# Altium PCB OpenPLCv0.2.0.PcbDoc (part 5 of 6)
Units mm, origin at the board's own origin, x right, y up, seen from the top; angles counter-clockwise.
Board outline 180 x 120 mm, 4 copper layers (Top Copper, Int1 Copper (GND), Int2 Copper (GND), Bottom Copper), stack 1.57 mm thick; 541 components, 405 nets, 1586 pads, 1395 vias.
Unrouted connection lines stored in the file: 4.
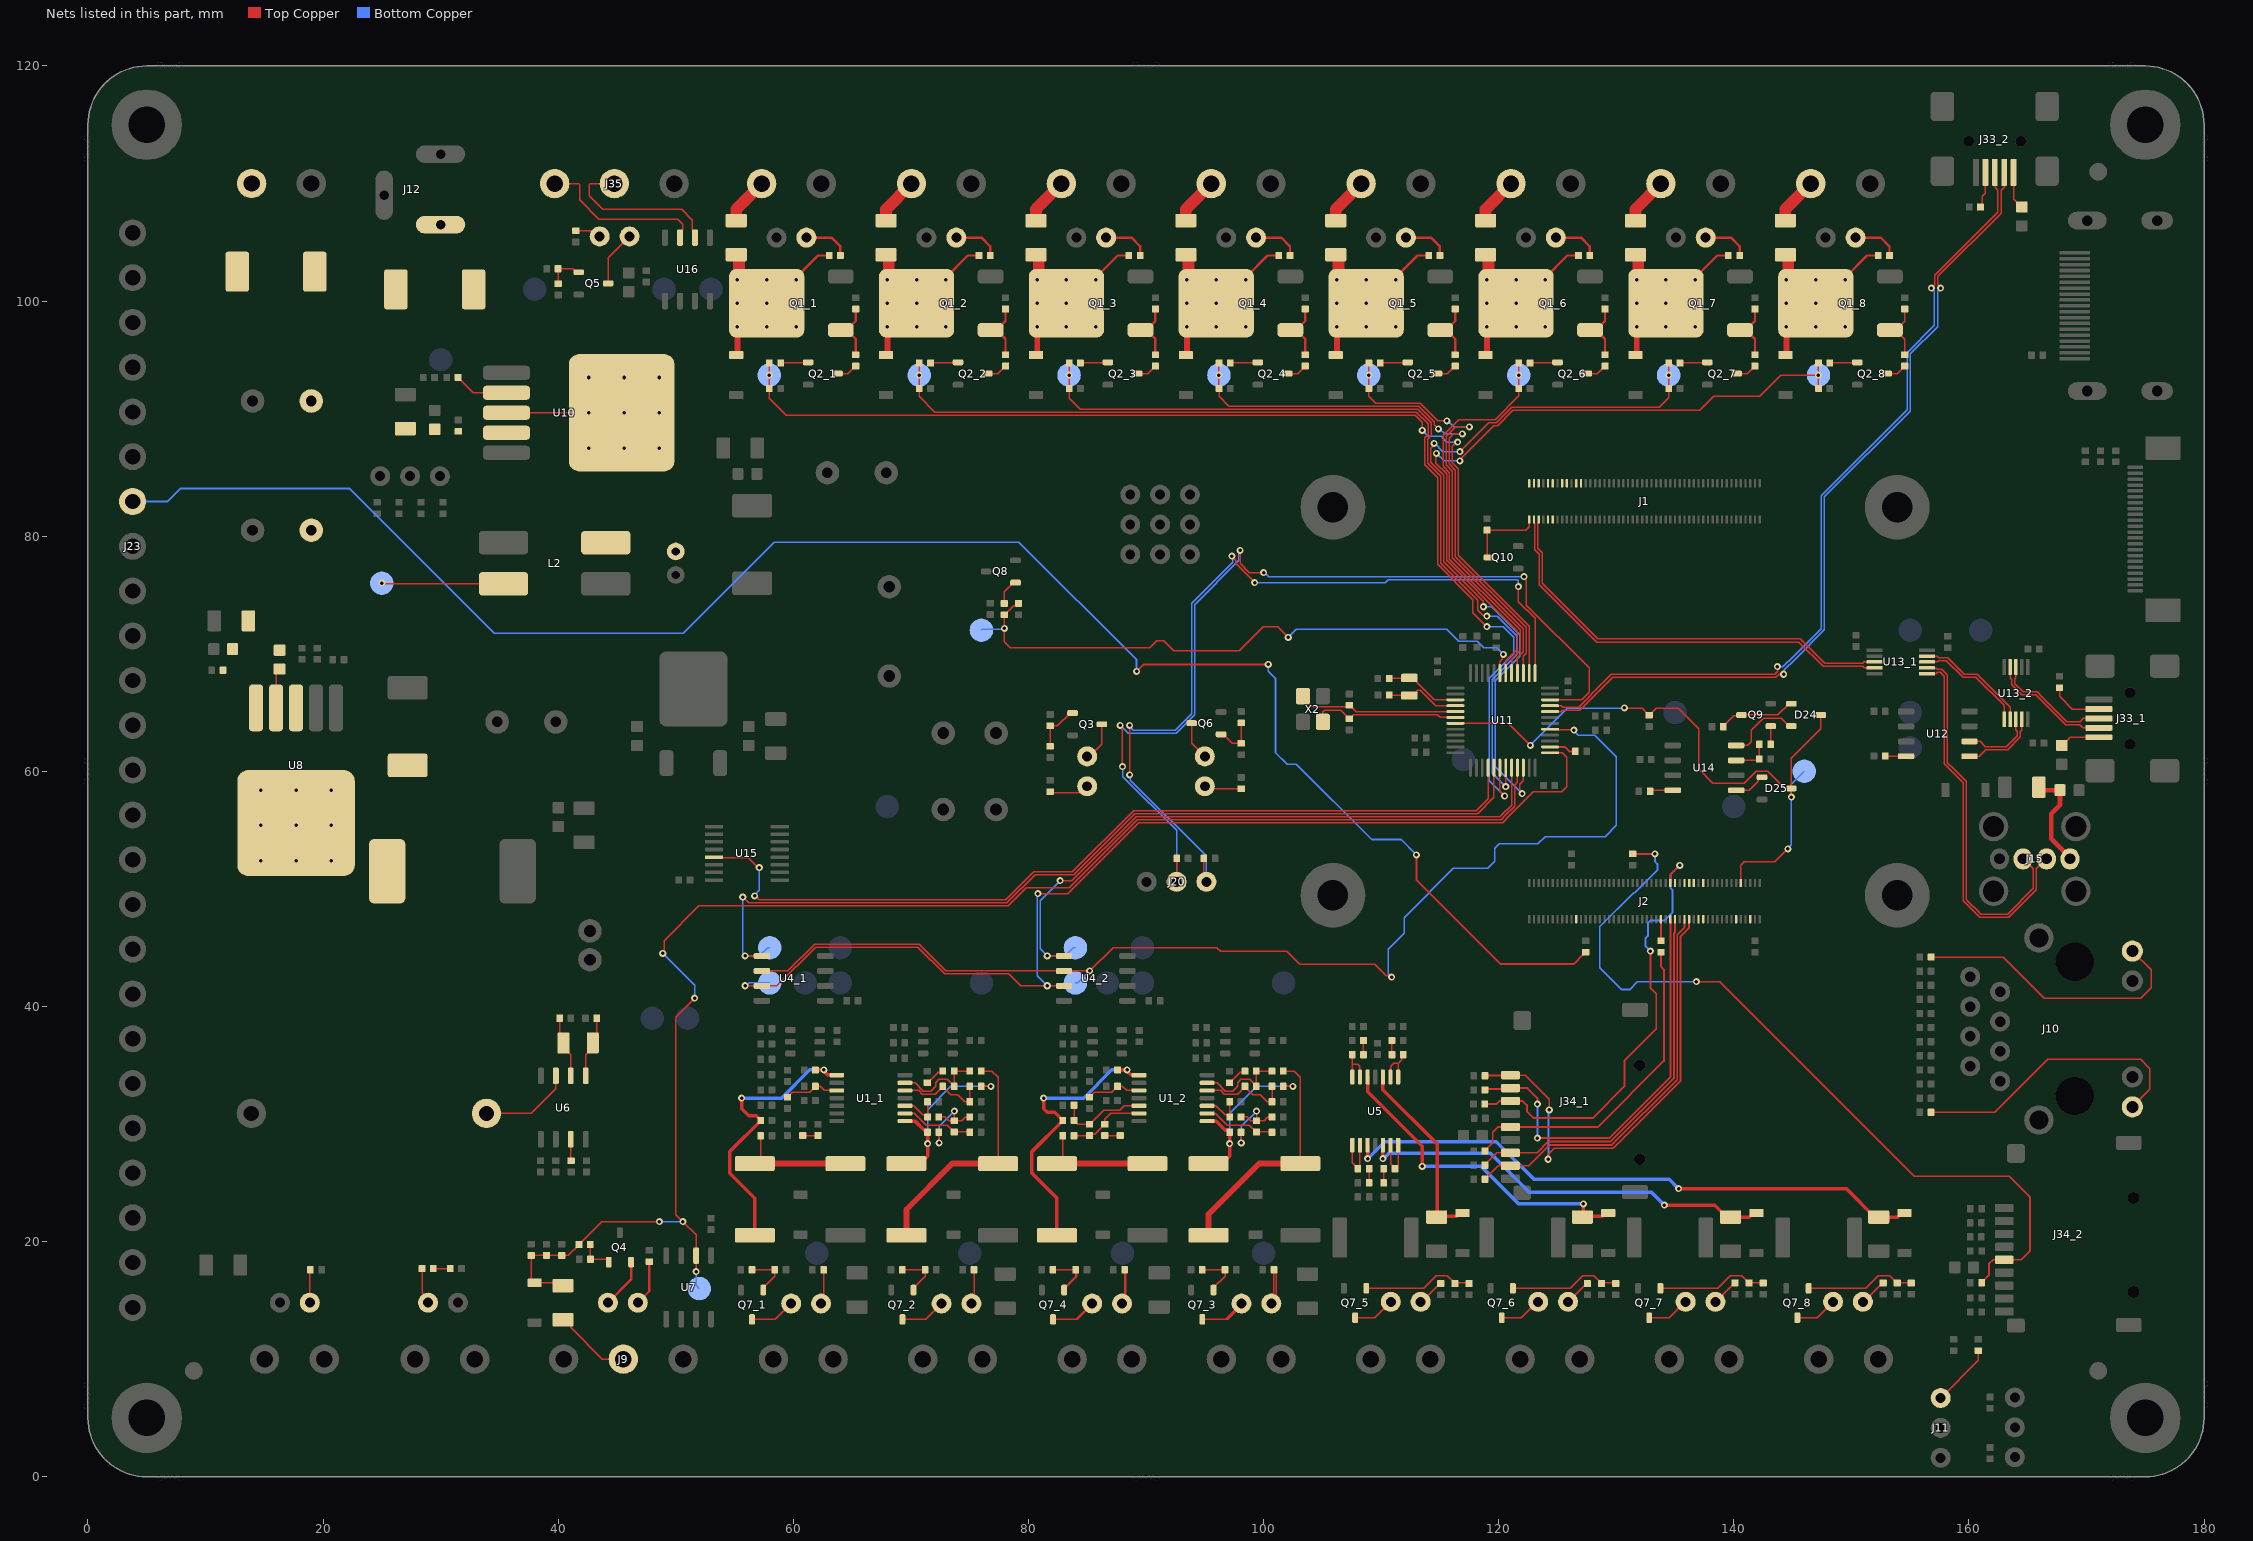
[diagram p7: the nets of this part, all layers, seen from the top]

## Via types
v1: diameter 0.6, hole 0.3, Top Copper to Bottom Copper, tented both sides, 1296 vias
v2: diameter 0.7, hole 0.3, Top Copper to Bottom Copper, tented bottom, 99 vias

## Nets (pads, with @x,y where several pads share a name; then routed paths per layer and width w, separated by ;. In a path a pad name is that pad's centre, name@x,y a point inside that pad or via, vN(x,y) a via of type N, cw(c..) or ccw(c..) an arc to the next point about the centre after c; other vN are vias at no path point) (continued)
NetC4_2_1: C4_2.1 R5_2.1 R7_2.2 U1_2.6 | length 6.6
  Top Copper w0.127: R5_2.1@83.88,29 83.9,29.02 C4_2.1@85.2,29.02 85.311,29.131 85.626,29.131 86.475,29.98 R7_2.2@86.5,29.98 86.5,30.4 87,30.9 88,30.9 U1_2.6@89.4,30.9
NetC4_2_2: C4_2.2 R3_2.1 R6_2.2 U1_2.5 | length 7.6
  Top Copper w0.127: R6_2.2@83.88,31.6 R3_2.1@83.88,30.3 83.88,30.275 84.101,30.054 84.126,30.054 84.2,29.98 C4_2.2@85.2,29.98 85.225,29.98 86.399,31.154 87.754,31.154 88.15,31.55 U1_2.5@89.4,31.55
NetC5_1_1: C5_1.1 R13_1.2 U1_1.9 | length 6.2
  Top Copper w0.127: U1_1.9@69.5,30.9 70.289,30.9 71.289,29.9 73.095,29.9 73.675,29.32 C5_1.1@73.7,29.32 R13_1.2@75,29.32
NetC5_1_2: C5_1.2 C61_1.2 R12_1.2 R111_1.1 | length 7.9
  Top Copper w0.127: C61_1.2@72.38,29.3 72.4,29.28 v1(72.4,28.4) ; R111_1.1@72.38,30.6 72.9,30.6 73.22,30.28 C5_1.2@73.7,30.28 ; v1(73.7,31.1) C5_1.2@73.7,30.28 ; R12_1.2@75.02,30.6 74.979,30.559 74.619,30.559 74.34,30.28 C5_1.2@73.7,30.28
  Bottom Copper w0.127: v1(72.4,28.4) 72.4,29.8 v1(73.7,31.1)
NetC5_2_1: C5_2.1 R13_2.2 U1_2.9 | length 6.2
  Top Copper w0.127: U1_2.9@95.2,30.9 95.234,30.866 95.938,30.866 96.904,29.9 98.795,29.9 99.375,29.32 C5_2.1@99.4,29.32 R13_2.2@100.7,29.32
NetC5_2_2: C5_2.2 C61_2.2 R12_2.2 R111_2.1 | length 7.9
  Top Copper w0.127: C61_2.2@98.08,29.3 98.1,29.28 v1(98.1,28.4) ; R111_2.1@98.08,30.6 98.6,30.6 98.92,30.28 C5_2.2@99.4,30.28 ; v1(99.4,31.1) C5_2.2@99.4,30.28 ; R12_2.2@100.72,30.6 100.679,30.559 100.319,30.559 100.04,30.28 C5_2.2@99.4,30.28
  Bottom Copper w0.127: v1(98.1,28.4) 98.1,29.8 v1(99.4,31.1)
NetC8_1_1: C8_1.1 R16_1.1 R18_1.2 U1_1.13 | length 8
  Top Copper w0.127: U1_1.13@69.5,33.5 70.359,33.5 71.059,32.8 71.7,32.8 72.1,33.2 72.1,33.521 72.379,33.8 73.105,33.8 C8_1.1@73.68,33.225 ; C8_1.1@73.68,33.2 C8_1.1@73.68,33.225 ; R16_1.1@75.02,34.5 R18_1.2@73.68,34.5 C8_1.1@73.68,33.225
NetC8_1_2: C8_1.2 R14_1.1 R17_1.2 U1_1.12 | length 7.8
  Top Copper w0.127: U1_1.12@69.5,32.85 70.65,32.85 70.954,32.546 72.091,32.546 C8_1.2@72.72,33.175 ; C8_1.2@72.72,33.2 C8_1.2@72.72,33.175 ; R14_1.1@75.02,33.2 R17_1.2@75.02,31.9 74.6,31.9 74,32.5 73.395,32.5 C8_1.2@72.72,33.175
NetC8_2_1: C8_2.1 R16_2.1 R18_2.2 U1_2.13 | length 8
  Top Copper w0.127: U1_2.13@95.2,33.5 96.059,33.5 96.759,32.8 97.4,32.8 97.8,33.2 97.8,33.521 98.079,33.8 98.805,33.8 C8_2.1@99.38,33.225 ; C8_2.1@99.38,33.2 C8_2.1@99.38,33.225 ; R16_2.1@100.72,34.5 R18_2.2@99.38,34.5 C8_2.1@99.38,33.225
NetC8_2_2: C8_2.2 R14_2.1 R17_2.2 U1_2.12 | length 7.8
  Top Copper w0.127: U1_2.12@95.2,32.85 96.35,32.85 96.654,32.546 97.791,32.546 C8_2.2@98.42,33.175 ; C8_2.2@98.42,33.2 C8_2.2@98.42,33.175 ; R14_2.1@100.72,33.2 R17_2.2@100.72,31.9 100.3,31.9 99.7,32.5 99.095,32.5 C8_2.2@98.42,33.175
NetC18_1: C18.1 U8.4 | length 3.4
  Top Copper w0.127: U8.4@16,65.4 16,68.4 C18.1@16.3,68.7
NetC41_1_1: C41_1.1 R3_1.2 R4_1.2 U1_1.1 | length 24.7
  Top Copper w0.3: v1(55.6,32.2) 55.6,31.3 56.2,30.7 56.845,30.7 57.22,30.325 R3_1.2@57.22,30.3 57.22,30.275 54.6,27.655 54.6,25.8 56.724,23.676 R4_1.2@56.724,20.532 ; C41_1.1@61.88,34.6 v1(62.6,34.6) 62.657,34.543 62.657,34.438 62.926,34.169 63.681,34.169 U1_1.1@63.7,34.15
  Bottom Copper w0.3: v1(55.6,32.2) 59,32.2 61.4,34.6 v1(62.6,34.6)
NetC41_2_1: C41_2.1 R3_2.2 R4_2.2 U1_2.1 | length 24.8
  Top Copper w0.127: C41_2.1@87.58,34.575 C41_2.1@87.605,34.6
  Top Copper w0.3: v1(81.3,32.2) 81.3,31.3 81.6,31 82.245,31 82.92,30.325 R3_2.2@82.92,30.3 82.92,30.275 80.3,27.655 80.3,25.8 82.424,23.676 R4_2.2@82.424,20.532 ; C41_2.1@87.605,34.6 v1(88.4,34.6) 88.457,34.543 88.457,34.448 88.726,34.18 89.37,34.18 U1_2.1@89.4,34.15
  Bottom Copper w0.3: v1(81.3,32.2) 84.7,32.2 87.1,34.6 v1(88.4,34.6)
NetC60_1_1: C60_1.1 R110_1.2 U1_1.3 | length 4.8
  Top Copper w0.127: C60_1.1@59.5,32.28 59.525,32.28 59.746,32.502 59.746,32.527 59.919,32.7 61.251,32.7 ; 61.251,32.7 61.405,32.7 61.88,33.175 R110_1.2@61.88,33.2 62.3,33.2 62.65,32.85 U1_1.3@63.7,32.85
NetC60_2_1: C60_2.1 R110_2.2 U1_2.3 | length 4.8
  Top Copper w0.127: C60_2.1@85.2,32.28 85.225,32.28 85.446,32.502 85.446,32.527 85.619,32.7 86.951,32.7 ; 86.951,32.7 87.105,32.7 87.58,33.175 R110_2.2@87.58,33.2 88,33.2 88.35,32.85 U1_2.3@89.4,32.85
NetC61_1_1: C61_1.1 R14_1.2 R15_1.2 U1_1.8 | length 16.3
  Top Copper w0.127: R14_1.2@75.98,33.2 v1(76.8,33.2)
  Top Copper w0.3: U1_1.8@69.5,30.25 70.35,30.25 71.14,29.46 71.285,29.46 71.42,29.325 v1(71.42,28.329) 71.42,27.283 71.244,27.107 70.099,27.107 R15_1.2@69.624,26.632
  Bottom Copper w0.127: v1(71.42,28.329) 71.42,31.22 73.4,33.2 v1(76.8,33.2)
NetC61_2_1: C61_2.1 R14_2.2 R15_2.2 U1_2.8 | length 16.1
  Top Copper w0.127: U1_2.8@95.2,30.25 U1_2.8@95.476,30.25 ; R14_2.2@101.68,33.2 v1(102.5,33.2)
  Top Copper w0.3: R15_2.2@95.324,26.632 95.799,27.107 96.944,27.107 97.12,27.283 C61_2.1@97.12,29.3 97.12,29.325 96.985,29.46 96.74,29.46 95.972,30.228 95.498,30.228 U1_2.8@95.476,30.25
  Bottom Copper w0.127: v1(97.12,28.329) 97.12,30.92 99.4,33.2 v1(102.5,33.2)
NetC62_1_1: C62_1.1 R111_1.2 U1_1.10 | length 3.6
  Top Copper w0.127: U1_1.10@69.5,31.55 70.25,31.55 71.021,30.779 71.266,30.779 71.42,30.625 C62_1.1@71.42,31.9
NetC62_2_1: C62_2.1 R111_2.2 U1_2.10 | length 3.6
  Top Copper w0.127: U1_2.10@95.2,31.55 95.95,31.55 96.721,30.779 96.966,30.779 97.12,30.625 C62_2.1@97.12,31.9
NetD3_2: D3.2 F3.1 U5.3 | length 16.1
  Top Copper w0.3: U5.3@110.15,34 110.15,32.925 114.777,28.298 F3.1@114.777,22.135 ; F3.1@114.724,22.082 F3.1@114.777,22.135 ; D3.2@116.924,22.432 116.674,22.432 116.377,22.135 F3.1@114.777,22.135
NetD4_2: D4.2 F4.1 U5.5 | length 27.9
  Top Copper w0.127: F4.1@127.124,22.082 F4.1@127.2,22.158
  Top Copper w0.3: U5.5@108.85,34 108.85,32.75 113.5,28.1 v1(113.5,26.4) ; v1(127.2,23.2) 127.2,22.158 128.8,22.158 129.074,22.432 D4.2@129.324,22.432
  Bottom Copper w0.3: v1(113.5,26.4) 118.5,26.4 121.7,23.2 v1(127.2,23.2)
NetD5_2: D5.2 F5.1 U5.12 | length 35.4
  Top Copper w0.3: v1(110.15,27.05) U5.12@110.15,28.2 ; v1(134.1,23.1) 138.381,23.1 139.399,22.082 F5.1@139.724,22.082 141.324,22.082 141.589,22.347 D5.2@141.839,22.347
  Bottom Copper w0.3: v1(110.15,27.05) 110.226,27.05 110.676,27.5 119.3,27.5 122.6,24.2 133,24.2 v1(134.1,23.1)
NetD6_2: D6.2 F6.1 U5.10 | length 50.2
  Top Copper w0.3: v1(108.85,27.05) U5.10@108.85,28.2 ; v1(135.3,24.5) 149.581,24.5 151.999,22.082 153.924,22.082 154.274,22.432 D6.2@154.524,22.432
  Bottom Copper w0.3: v1(108.85,27.05) 110.3,28.5 119.8,28.5 123,25.3 134.5,25.3 v1(135.3,24.5)
NetD7_A: D7.A R43.2 | length 2.8
  Top Copper w0.127: R43.2@81.85,58.27 81.94,58.18 D7.A@84.65,58.18
NetD7_K: D7.K Q3.3 | length 3.9
  Top Copper w0.127: D7.K@84.65,60.72 86.25,62.32 Q3.3@86.25,64
NetD16_1_2: D16_1.2 F9_1.1 Q1_1.2 R66_1.2 | length 12.1
  Top Copper w0.127: D16_1.2@55.143,95.411 55.153,95.411 D16_1.2@55.253,95.511
  Top Copper w0.2: Q1_1.2@55.143,97.723 v2(55.233,97.813) ; v2(60.233,101.813) 60.233,102.013 62.091,103.871 R66_1.2@63.045,103.871
  Top Copper w0.5: v2(55.233,97.813) 55.253,97.793 D16_1.2@55.253,95.511
  Top Copper w1: F9_1.1@55.143,103.945 55.303,103.945 55.378,103.87 55.378,101.958 v2(55.233,101.813) ; Q1_1.2@55.378,102.168 v2(57.733,99.813)
  other v2: 57.733,97.813 60.233,97.813 55.233,99.813 60.233,99.813 57.733,101.813
NetD16_2_2: D16_2.2 F9_2.1 Q1_2.2 R66_2.2 | length 12.1
  Top Copper w0.127: D16_2.2@67.892,95.411 67.902,95.411 D16_2.2@68.002,95.511
  Top Copper w0.2: Q1_2.2@67.892,97.723 v2(67.982,97.813) ; v2(72.982,101.813) 72.982,102.013 74.84,103.871 R66_2.2@75.794,103.871
  Top Copper w0.5: v2(67.982,97.813) 68.002,97.793 D16_2.2@68.002,95.511
  Top Copper w1: F9_2.1@67.892,103.945 68.052,103.945 68.127,103.87 68.127,101.958 v2(67.982,101.813) ; Q1_2.2@68.127,102.168 v2(70.482,99.813)
  other v2: 70.482,97.813 72.982,97.813 67.982,99.813 72.982,99.813 70.482,101.813
NetD16_3_2: D16_3.2 F9_3.1 Q1_3.2 R66_3.2 | length 12.1
  Top Copper w0.127: D16_3.2@80.641,95.411 80.651,95.411 D16_3.2@80.751,95.511
  Top Copper w0.2: Q1_3.2@80.641,97.723 v2(80.731,97.813) ; v2(85.731,101.813) 85.731,102.013 87.589,103.871 R66_3.2@88.543,103.871
  Top Copper w0.5: v2(80.731,97.813) 80.751,97.793 D16_3.2@80.751,95.511
  Top Copper w1: F9_3.1@80.641,103.945 80.801,103.945 80.876,103.87 80.876,101.958 v2(80.731,101.813) ; Q1_3.2@80.876,102.168 v2(83.231,99.813)
  other v2: 83.231,97.813 85.731,97.813 80.731,99.813 85.731,99.813 83.231,101.813
NetD16_4_2: D16_4.2 F9_4.1 Q1_4.2 R66_4.2 | length 12.1
  Top Copper w0.127: D16_4.2@93.39,95.411 93.4,95.411 D16_4.2@93.5,95.511
  Top Copper w0.2: Q1_4.2@93.39,97.723 v2(93.48,97.813) ; v2(98.48,101.813) 98.48,102.013 100.338,103.871 R66_4.2@101.292,103.871
  Top Copper w0.5: v2(93.48,97.813) 93.5,97.793 D16_4.2@93.5,95.511
  Top Copper w1: F9_4.1@93.39,103.945 93.55,103.945 93.625,103.87 93.625,101.958 v2(93.48,101.813) ; Q1_4.2@93.625,102.168 v2(95.98,99.813)
  other v2: 95.98,97.813 98.48,97.813 93.48,99.813 98.48,99.813 95.98,101.813
NetD16_5_2: D16_5.2 F9_5.1 Q1_5.2 R66_5.2 | length 12.1
  Top Copper w0.127: D16_5.2@106.139,95.411 106.149,95.411 D16_5.2@106.249,95.511
  Top Copper w0.2: Q1_5.2@106.139,97.723 v2(106.229,97.813) ; v2(111.229,101.813) 111.229,102.013 113.087,103.871 R66_5.2@114.041,103.871
  Top Copper w0.5: v2(106.229,97.813) 106.249,97.793 D16_5.2@106.249,95.511
  Top Copper w1: F9_5.1@106.139,103.945 106.299,103.945 106.374,103.87 106.374,101.958 v2(106.229,101.813) ; Q1_5.2@106.374,102.168 v2(108.729,99.813)
  other v2: 108.729,97.813 111.229,97.813 106.229,99.813 111.229,99.813 108.729,101.813
NetD16_6_2: D16_6.2 F9_6.1 Q1_6.2 R66_6.2 | length 12.1
  Top Copper w0.127: D16_6.2@118.888,95.411 118.898,95.411 D16_6.2@118.998,95.511
  Top Copper w0.2: Q1_6.2@118.888,97.723 v2(118.978,97.813) ; v2(123.978,101.813) 123.978,102.013 125.836,103.871 R66_6.2@126.79,103.871
  Top Copper w0.5: v2(118.978,97.813) 118.998,97.793 D16_6.2@118.998,95.511
  Top Copper w1: F9_6.1@118.888,103.945 119.048,103.945 119.123,103.87 119.123,101.958 v2(118.978,101.813) ; Q1_6.2@119.123,102.168 v2(121.478,99.813)
  other v2: 121.478,97.813 123.978,97.813 118.978,99.813 123.978,99.813 121.478,101.813
NetD16_7_2: D16_7.2 F9_7.1 Q1_7.2 R66_7.2 | length 12.1
  Top Copper w0.127: D16_7.2@131.637,95.411 131.647,95.411 D16_7.2@131.747,95.511
  Top Copper w0.2: Q1_7.2@131.637,97.723 v2(131.727,97.813) ; v2(136.727,101.813) 136.727,102.013 138.585,103.871 R66_7.2@139.539,103.871
  Top Copper w0.5: v2(131.727,97.813) 131.747,97.793 D16_7.2@131.747,95.511
  Top Copper w1: F9_7.1@131.637,103.945 131.797,103.945 131.872,103.87 131.872,101.958 v2(131.727,101.813) ; Q1_7.2@131.872,102.168 v2(134.227,99.813)
  other v2: 134.227,97.813 136.727,97.813 131.727,99.813 136.727,99.813 134.227,101.813
NetD16_8_2: D16_8.2 F9_8.1 Q1_8.2 R66_8.2 | length 12.1
  Top Copper w0.127: D16_8.2@144.386,95.411 144.396,95.411 D16_8.2@144.496,95.511
  Top Copper w0.2: Q1_8.2@144.386,97.723 v2(144.476,97.813) ; v2(149.476,101.813) 149.476,102.013 151.334,103.871 R66_8.2@152.288,103.871
  Top Copper w0.5: v2(144.476,97.813) 144.496,97.793 D16_8.2@144.496,95.511
  Top Copper w1: F9_8.1@144.386,103.945 144.546,103.945 144.621,103.87 144.621,101.958 v2(144.476,101.813) ; Q1_8.2@144.621,102.168 v2(146.976,99.813)
  other v2: 146.976,97.813 149.476,97.813 144.476,99.813 149.476,99.813 146.976,101.813
NetD17_A: D17.A R56.1 | length 2.8
  Top Copper w0.127: D17.A@18.87,14.8 18.87,17.55 R56.1@18.92,17.6
NetD18_A: D18.A R59.1 | length 3.1
  Top Copper w0.127: R59.1@28.42,17.7 28.42,15.656 28.93,15.146 D18.A@28.93,14.8
NetD20_1_A: D20_1.A R66_1.1 | length 4
  Top Copper w0.2: D20_1.A@61.112,105.4 63.257,105.4 64.005,104.652 R66_1.1@64.005,103.871
NetD20_2_A: D20_2.A R66_2.1 | length 4
  Top Copper w0.2: D20_2.A@73.861,105.4 76.006,105.4 76.754,104.652 R66_2.1@76.754,103.871
NetD20_3_A: D20_3.A R66_3.1 | length 4
  Top Copper w0.2: D20_3.A@86.61,105.4 88.755,105.4 89.503,104.652 R66_3.1@89.503,103.871
NetD20_4_A: D20_4.A R66_4.1 | length 4
  Top Copper w0.2: D20_4.A@99.359,105.4 101.504,105.4 102.252,104.652 R66_4.1@102.252,103.871
NetD20_5_A: D20_5.A R66_5.1 | length 4
  Top Copper w0.2: D20_5.A@112.108,105.4 114.253,105.4 115.001,104.652 R66_5.1@115.001,103.871
NetD20_6_A: D20_6.A R66_6.1 | length 4
  Top Copper w0.2: D20_6.A@124.857,105.4 127.002,105.4 127.75,104.652 R66_6.1@127.75,103.871
NetD20_7_A: D20_7.A R66_7.1 | length 4
  Top Copper w0.2: D20_7.A@137.606,105.4 139.751,105.4 140.499,104.652 R66_7.1@140.499,103.871
NetD20_8_A: D20_8.A R66_8.1 | length 4
  Top Copper w0.2: D20_8.A@150.355,105.4 152.5,105.4 153.248,104.652 R66_8.1@153.248,103.871
NetD21_A: D21.A R72.1 | length 3.9
  Top Copper w0.2: D21.A@46.77,14.8 47.75,15.78 R72.1@47.75,18.29
NetD21_K: D21.K Q4.2 | length 4.3
  Top Copper w0.2: D21.K@44.23,14.8 46.2,16.77 Q4.2@46.2,18.25
NetD22_A: D22.A R83.2 | length 3.2
  Top Copper w0.127: D22.A@95,58.73 95.21,58.52 R83.2@98.1,58.52
NetD22_K: D22.K Q6.3 | length 3.3
  Top Copper w0.127: Q6.3@93.88,64.097 93.88,62.39 D22.K@95,61.27
NetD23_1_A: D23_1.A R86_1.1 | length 3
  Top Copper w0.127: D23_1.A@62.36,14.727 62.58,14.947 R86_1.1@62.58,17.6
NetD23_1_K: D23_1.K Q7_1.3 | length 3.9
  Top Copper w0.127: Q7_1.3@56.49,13.377 58.47,13.377 D23_1.K@59.82,14.727
NetD23_2_A: D23_2.A R86_2.1 | length 3
  Top Copper w0.127: D23_2.A@75.15,14.727 75.37,14.947 R86_2.1@75.37,17.6
NetD23_2_K: D23_2.K Q7_2.3 | length 3.9
  Top Copper w0.127: Q7_2.3@69.28,13.377 71.26,13.377 D23_2.K@72.61,14.727
NetD23_3_A: D23_3.A R86_3.1 | length 5.9
  Top Copper w0.127: D23_3.A@100.66,14.727 100.88,14.947 R86_3.1@100.88,17.6 ; D23_3.A@100.85,14.727 101.07,14.947 R86_3.1@101.07,17.6
NetD23_3_K: D23_3.K Q7_3.3 | length 7.8
  Top Copper w0.127: Q7_3.3@94.79,13.377 96.77,13.377 D23_3.K@98.12,14.727 ; Q7_3.3@94.98,13.377 96.96,13.377 D23_3.K@98.31,14.727
NetD23_4_A: D23_4.A R86_4.1 | length 5.9
  Top Copper w0.127: D23_4.A@87.96,14.727 88.18,14.947 R86_4.1@88.18,17.6 ; D23_4.A@88.06,14.727 88.28,14.947 R86_4.1@88.28,17.6
NetD23_4_K: D23_4.K Q7_4.3 | length 7.8
  Top Copper w0.127: Q7_4.3@82.09,13.377 84.07,13.377 D23_4.K@85.42,14.727 ; Q7_4.3@82.19,13.377 84.17,13.377 D23_4.K@85.52,14.727
NetD23_5_A: D23_5.A R86_5.1 | length 2.4
  Top Copper w0.127: D23_5.A@113.36,14.877 113.452,14.877 115.055,16.48 R86_5.1@115.08,16.48
NetD23_5_K: D23_5.K Q7_5.3 | length 3.6
  Top Copper w0.127: Q7_5.3@107.79,13.527 109.47,13.527 D23_5.K@110.82,14.877
NetD23_6_A: D23_6.A R86_6.1 | length 2.4
  Top Copper w0.127: D23_6.A@125.83,14.877 125.922,14.877 127.525,16.48 R86_6.1@127.55,16.48
NetD23_6_K: D23_6.K Q7_6.3 | length 3.6
  Top Copper w0.127: Q7_6.3@120.26,13.527 121.94,13.527 D23_6.K@123.29,14.877
NetD23_7_A: D23_7.A R86_7.1 | length 2.4
  Top Copper w0.127: D23_7.A@138.38,14.877 138.472,14.877 140.075,16.48 R86_7.1@140.1,16.48
NetD23_7_K: D23_7.K Q7_7.3 | length 3.6
  Top Copper w0.127: Q7_7.3@132.81,13.527 134.49,13.527 D23_7.K@135.84,14.877
NetD23_8_A: D23_8.A R86_8.1 | length 2.4
  Top Copper w0.127: D23_8.A@150.98,14.877 151.072,14.877 152.675,16.48 R86_8.1@152.7,16.48
NetD23_8_K: D23_8.K Q7_8.3 | length 3.6
  Top Copper w0.127: Q7_8.3@145.41,13.527 147.09,13.527 D23_8.K@148.44,14.877
NetD28_A: D28.A R76.1 | length 2.2
  Top Copper w0.127: R76.1@41.5,105.98 42.671,105.98 43.151,105.5 D28.A@43.53,105.5
NetD28_K: D28.K Q5.3 | length 4.8
  Top Copper w0.127: Q5.3@44.25,101.5 44.25,103.68 D28.K@46.07,105.5
NetF7_2: F7.2 J9.2 | length 6.7
  Top Copper w0.127: F7.2@40.4,13.35 40.725,13.35 41.05,13.025 41.05,12.7 43.75,10 J9.2@45.541,10
NetF9_1_2: F9_1.2 J16_1.1 | length 4
  Top Copper w1: F9_1.2@55.143,106.845 55.143,107.808 J16_1.1@57.302,109.967
NetF9_2_2: F9_2.2 J16_2.1 | length 4
  Top Copper w1: F9_2.2@67.892,106.845 67.892,107.808 J16_2.1@70.051,109.967
NetF9_3_2: F9_3.2 J16_3.1 | length 4
  Top Copper w1: F9_3.2@80.641,106.845 80.641,107.808 J16_3.1@82.8,109.967
NetF9_4_2: F9_4.2 J16_4.1 | length 4
  Top Copper w1: F9_4.2@93.39,106.845 93.39,107.808 J16_4.1@95.549,109.967
NetF9_5_2: F9_5.2 J16_5.1 | length 4
  Top Copper w1: F9_5.2@106.139,106.845 106.139,107.808 J16_5.1@108.298,109.967
NetF9_6_2: F9_6.2 J16_6.1 | length 4
  Top Copper w1: F9_6.2@118.888,106.845 118.888,107.808 J16_6.1@121.047,109.967
NetF9_7_2: F9_7.2 J16_7.1 | length 4
  Top Copper w1: F9_7.2@131.637,106.845 131.637,107.808 J16_7.1@133.796,109.967
NetF9_8_2: F9_8.2 J16_8.1 | length 4
  Top Copper w1: F9_8.2@144.386,106.845 144.386,107.808 J16_8.1@146.545,109.967
NetJ10_9: J10.9 R49.1 | length 24.7
  Top Copper w0.127: R49.1@156.78,31 162.2,31 166.7,35.5 174.6,35.5 175.4,34.7 175.4,32.96 J10.9@173.9,31.46
NetJ10_12: J10.12 R48.1 | length 24.3
  Top Copper w0.127: R48.1@156.78,44.2 162.9,44.2 166.4,40.7 174.6,40.7 175.5,41.6 175.5,43.11 J10.12@173.9,44.71
NetQ1_1_1: Q1_1.1 R65_1.1 R67_1.2 | length 5
  Top Copper w0.2: Q1_1.1@64.033,97.533 64.322,97.533 64.425,97.533 Q1_1.1@64.533,97.533 ; R67_1.2@65.303,95.433 65.303,96.763 Q1_1.1@64.533,97.533 ; R65_1.1@65.303,99.327 65.303,98.303 Q1_1.1@64.533,97.533
NetQ1_2_1: Q1_2.1 R65_2.1 R67_2.2 | length 5
  Top Copper w0.2: Q1_2.1@76.782,97.533 77.071,97.533 77.174,97.533 Q1_2.1@77.282,97.533 ; R67_2.2@78.052,95.433 78.052,96.763 Q1_2.1@77.282,97.533 ; R65_2.1@78.052,99.327 78.052,98.303 Q1_2.1@77.282,97.533
NetQ1_3_1: Q1_3.1 R65_3.1 R67_3.2 | length 5
  Top Copper w0.2: Q1_3.1@89.531,97.533 89.82,97.533 89.923,97.533 Q1_3.1@90.031,97.533 ; R67_3.2@90.801,95.433 90.801,96.763 Q1_3.1@90.031,97.533 ; R65_3.1@90.801,99.327 90.801,98.303 Q1_3.1@90.031,97.533
NetQ1_4_1: Q1_4.1 R65_4.1 R67_4.2 | length 5
  Top Copper w0.2: Q1_4.1@102.28,97.533 102.569,97.533 102.672,97.533 Q1_4.1@102.78,97.533 ; R67_4.2@103.55,95.433 103.55,96.763 Q1_4.1@102.78,97.533 ; R65_4.1@103.55,99.327 103.55,98.303 Q1_4.1@102.78,97.533
NetQ1_5_1: Q1_5.1 R65_5.1 R67_5.2 | length 5
  Top Copper w0.2: Q1_5.1@115.029,97.533 115.318,97.533 115.421,97.533 Q1_5.1@115.529,97.533 ; R67_5.2@116.299,95.433 116.299,96.763 Q1_5.1@115.529,97.533 ; R65_5.1@116.299,99.327 116.299,98.303 Q1_5.1@115.529,97.533
NetQ1_6_1: Q1_6.1 R65_6.1 R67_6.2 | length 5
  Top Copper w0.2: Q1_6.1@127.778,97.533 128.067,97.533 128.17,97.533 Q1_6.1@128.278,97.533 ; R67_6.2@129.048,95.433 129.048,96.763 Q1_6.1@128.278,97.533 ; R65_6.1@129.048,99.327 129.048,98.303 Q1_6.1@128.278,97.533
NetQ1_7_1: Q1_7.1 R65_7.1 R67_7.2 | length 5
  Top Copper w0.2: Q1_7.1@140.527,97.533 140.816,97.533 140.919,97.533 Q1_7.1@141.027,97.533 ; R67_7.2@141.797,95.433 141.797,96.763 Q1_7.1@141.027,97.533 ; R65_7.1@141.797,99.327 141.797,98.303 Q1_7.1@141.027,97.533
NetQ1_8_1: Q1_8.1 R65_8.1 R67_8.2 | length 5
  Top Copper w0.127: Q1_8.1@153.565,97.533 153.668,97.533 Q1_8.1@153.776,97.533 ; R67_8.2@154.546,95.433 154.546,96.763 Q1_8.1@153.776,97.533 ; R65_8.1@154.546,99.327 154.546,98.303 Q1_8.1@153.776,97.533
  Top Copper w0.2: Q1_8.1@153.276,97.533 Q1_8.1@153.565,97.533
NetQ2_1_1: Q2_1.1 R68_1.1 | length 2.4
  Top Copper w0.127: R68_1.1@58.925,94.727 58.955,94.758 61.228,94.758 Q2_1.1@61.259,94.788
NetQ2_1_3: Q2_1.3 R67_1.1 | length 1.8
  Top Copper w0.127: Q2_1.3@63.759,93.838 64.643,93.838 65.278,94.473 R67_1.1@65.303,94.473
NetQ2_2_1: Q2_2.1 R68_2.1 | length 2.4
  Top Copper w0.127: R68_2.1@71.674,94.727 71.704,94.758 73.977,94.758 Q2_2.1@74.008,94.788
NetQ2_2_3: Q2_2.3 R67_2.1 | length 1.8
  Top Copper w0.127: Q2_2.3@76.508,93.838 77.392,93.838 78.027,94.473 R67_2.1@78.052,94.473
NetQ2_3_1: Q2_3.1 R68_3.1 | length 2.4
  Top Copper w0.127: R68_3.1@84.423,94.727 84.453,94.758 86.726,94.758 Q2_3.1@86.757,94.788
NetQ2_3_3: Q2_3.3 R67_3.1 | length 1.8
  Top Copper w0.127: Q2_3.3@89.257,93.838 90.141,93.838 90.776,94.473 R67_3.1@90.801,94.473
NetQ2_4_1: Q2_4.1 R68_4.1 | length 2.4
  Top Copper w0.127: R68_4.1@97.172,94.727 97.202,94.758 99.475,94.758 Q2_4.1@99.506,94.788
NetQ2_4_3: Q2_4.3 R67_4.1 | length 1.8
  Top Copper w0.127: Q2_4.3@102.006,93.838 102.89,93.838 103.525,94.473 R67_4.1@103.55,94.473
NetQ2_5_1: Q2_5.1 R68_5.1 | length 2.4
  Top Copper w0.127: R68_5.1@109.921,94.727 109.951,94.758 112.224,94.758 Q2_5.1@112.255,94.788
NetQ2_5_3: Q2_5.3 R67_5.1 | length 1.8
  Top Copper w0.127: Q2_5.3@114.755,93.838 115.639,93.838 116.274,94.473 R67_5.1@116.299,94.473
NetQ2_6_1: Q2_6.1 R68_6.1 | length 2.4
  Top Copper w0.127: R68_6.1@122.67,94.727 122.7,94.758 124.973,94.758 Q2_6.1@125.004,94.788
NetQ2_6_3: Q2_6.3 R67_6.1 | length 1.8
  Top Copper w0.127: Q2_6.3@127.504,93.838 128.388,93.838 129.023,94.473 R67_6.1@129.048,94.473
NetQ2_7_1: Q2_7.1 R68_7.1 | length 2.4